# KiCad board ebaz4205.kicad_pcb (continued)
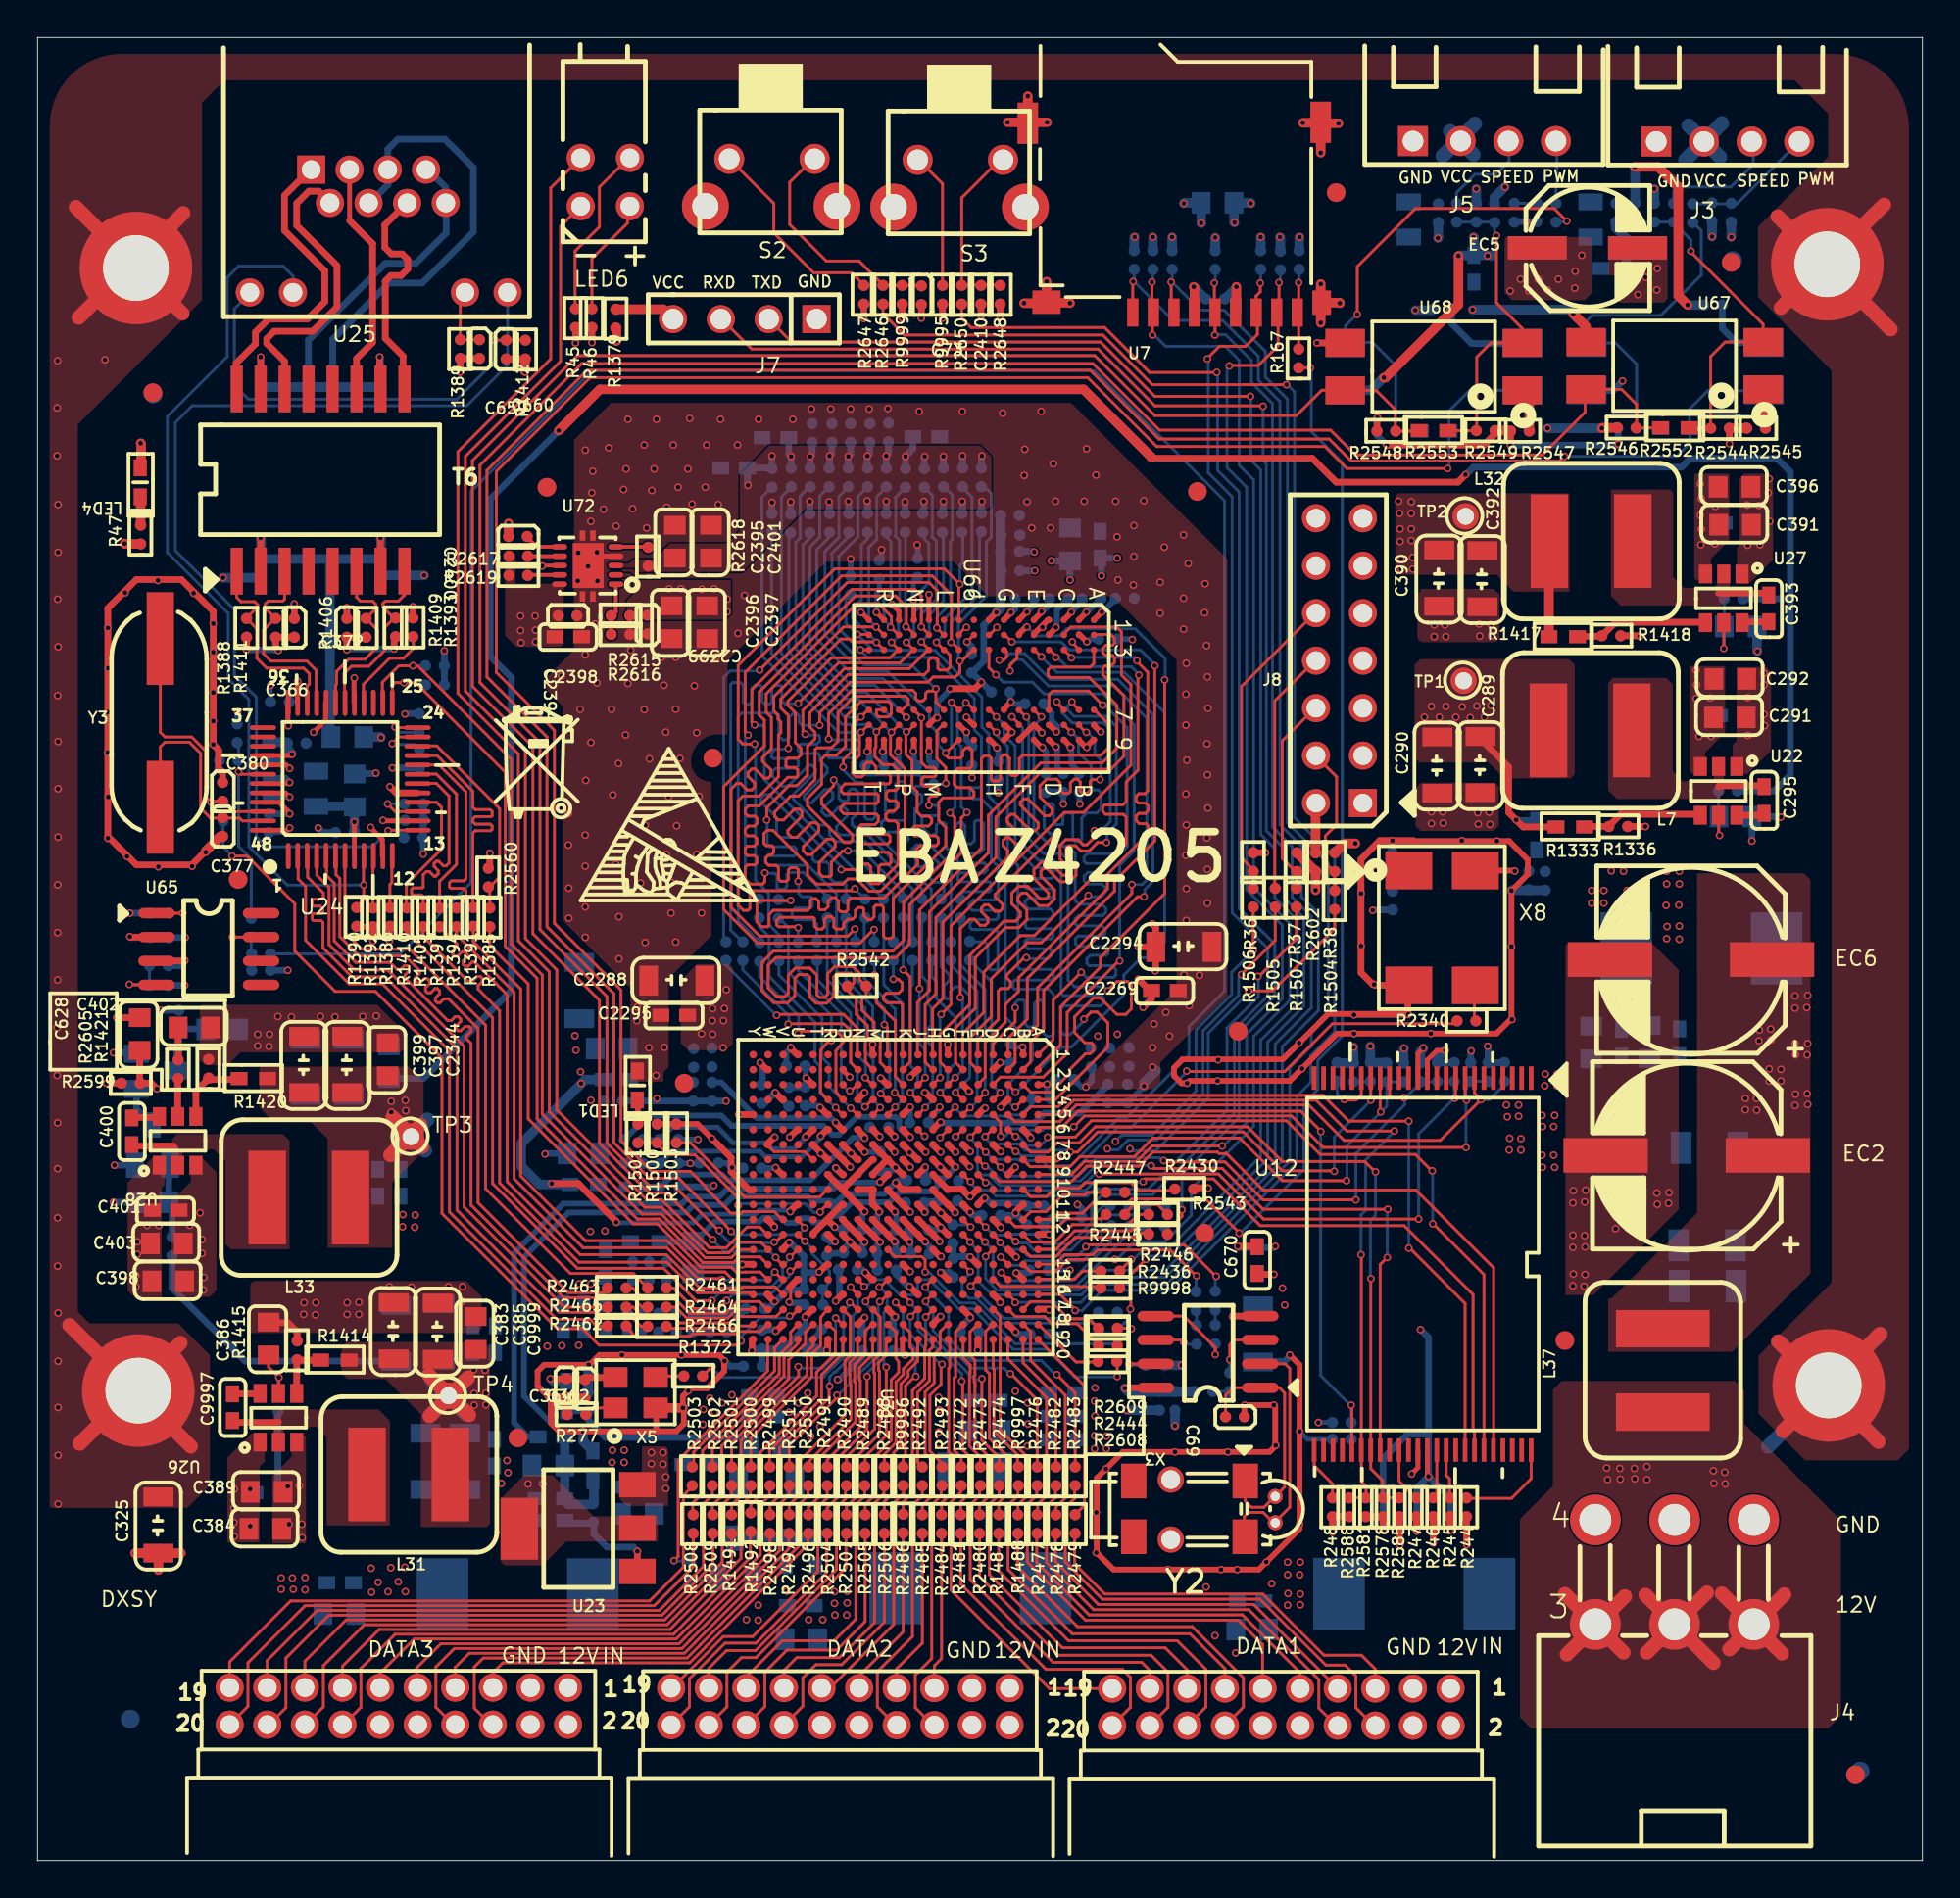
[diagram p0: board, top side]
## Routing (per net, layer and track width the routed paths; a pad name or vN(x,y) marks a point on that pad's centre or on a via; arc(x,y) is an arc through that point) (continued)
U31-N16_0: length 18.1
  Top Layer w0.152: v1(57.6,25.83) 57.6,26.6 R2608.2 ; 43.73,31.02 44.15,30.6 44.15,30.58
  Bottom Layer w0.152: 57.48,25.8 55.33,25.8 53.85,27.28 52.05,27.28 49.88,29.45 49.13,29.45 47.58,31 47.03,31 46.95,30.93 46.95,30.28 46.85,30.18 46,30.18 45.18,31 44.58,31 44.15,30.58
  vias: v1(44.1,30.63)
U31-TCK_0: length 28.8
  Top Layer w0.152: 49.75,36.18 49.75,36.22 49.36,36.61 ; v1(65.1,47.18) 65.15,47.18 67.15,49.18 R37.1
  Bottom Layer w0.152: 49.75,36.18 50.16,35.77 50.81,35.77 51.13,35.45 56,35.45 56.38,35.83 58.8,35.83 58.81,35.82 59.25,35.82 63.45,40.03 63.45,44.43 65.13,46.1 65.13,47.08
  vias: v1(49.78,36.23)
U31-TDI_0: length 27.1
  Top Layer w0.152: v1(64.85,48.55) R1506.1 ; 48.55,39.01 48.55,38.98 v1(48.15,38.58)
  MidLayer2 w0.127: v1(57.5,38.38) 57.49,38.39 55.41,38.39 54.51,39.29 49.14,39.29 48.42,38.58 v1(48.15,38.58)
  Bottom Layer w0.152: v1(64.85,48.55) 63.7,47.4 63.7,46.23 61.8,44.33 61.8,41.05 59.46,38.71 57.83,38.71 v1(57.5,38.38)
U31-TDO_0: length 27.3
  Top Layer w0.152: v1(64.23,47.28) 64.23,47.3 66.03,49.1 R1505.1 ; v1(48.98,38.63) 49.36,39.01 49.36,39.01
  MidLayer2 w0.127: v1(57.08,37.98) 55.4,37.98 54.36,39.02 49.34,39.02 48.98,38.65 v1(48.98,38.63)
  Bottom Layer w0.152: v1(64.23,47.28) 64.08,47.13 64.08,46.18 62.18,44.28 62.18,40.93 59.7,38.45 58.18,38.45 57.65,37.93 57.2,37.93 57.15,37.98 57.03,37.85 57,37.88
U31-TMS_0: length 31.7
  Top Layer w0.152: v1(64.6,46.4) 65.88,46.4 69.2,49.73 R1504.1 ; 46.95,39.01 47.38,38.58
  MidLayer2 w0.127: 58.26,37.97 58.26,38.29 57.59,38.97 56.04,38.97 55.46,39.54 48.89,39.54 48.31,38.97 47.66,38.97 47.35,38.65 v1(47.33,38.65)
  Bottom Layer w0.152: 58.28,37.88 59.65,37.88 62.45,40.68 62.45,44.15 64.6,46.3 v1(64.6,46.4)
  vias: v1(58.28,37.98)
U31.W20_0: length 14.7
  Top Layer w0.152: 38.91,27.83 38.95,27.78 38.95,26.13 34.18,21.35 34.18,16.23 v1(33.95,16)
  Bottom Layer w0.152: 34.05,15.98 R1481.2
VP1_0: length 32.3
  Top Layer w0.356: v1(44.95,36.2) 45.34,36.59 45.34,36.61
  Bottom Layer w0.305: 44.95,36.15 44.93,36.18 42.58,36.18 42.25,35.85 36.8,35.85 36.38,35.43 34.75,35.43 34.38,35.05 28.05,35.05 25.43,32.43 25.43,23.35 26.18,22.6 C856.2
  vias: v1(26.17,20.1) v1(26.94,20.1)
XOUT.0_0: length 50.2
  Top Layer w0.152: 40.51,29.42 40.51,29.34 40.18,29 ; v1(37.53,27.73) 37.3,27.5 29.95,27.5 29.08,28.38 27.73,28.38 21.58,34.53 21.58,42.83 18.03,46.38 15.88,46.38 13.73,48.53 13.73,51.05 11.18,53.6 10.4,53.6
  Bottom Layer w0.152: R1485.1 9.9,54.1 10.43,53.58 ; v1(37.53,27.73) 37.53,27.95 38.53,28.95 40.05,28.95
  vias: v1(10.38,53.6) v1(40.13,29.05)
Net-(C69-Pad1): length 13
  Top Layer w0.152: 63.38,23.73 63.38,24.83 63.78,25.23 X3.1 ; 66,19.35 65.93,19.35 65.43,18.85 64.75,18.85 64.43,19.18 Y2.1 ; Y2.8 66.53,19.93 66.53,24.95 66.25,25.23 65.48,25.23
Net-(C71-Pad2): length 2.3
  Top Layer w0.152: X3.7 58.25,26.5 v1(58.23,26.48)
  Bottom Layer w0.152: 58.25,26.5 58.33,26.43 C71.2
Net-(C73-Pad2): length 12.5
  Top Layer w0.152: S2.3 41.38,90.8 40.13,89.55 40.13,87.3 42.08,85.35 43.83,85.35 45.05,84.13 ; 45.05,84.05 47.23,84.05
Net-(C294-Pad2): length 3.3
  Top Layer w0.152: U22.5 89.68,54.75 v1(89.73,54.7)
  Bottom Layer w0.152: 89.7,54.63 C294.2 ; 89.73,56 89.68,56.05 R2603.1
Net-(C295-Pad1): length 1.4
  Top Layer w0.356: 92.08,55.93 92.08,55.9 C295.1 ; 91.85,55.88 91.75,55.78 90.6,55.78
Net-(C295-Pad2): length 2.5
  Top Layer w0.356: 89.68,57.3 89.73,57.35 92.05,57.35 C295.2
Net-(C304-Pad2): length 6.9
  Bottom Layer w0.152: 93.93,91.55 93.8,91.55 90.65,88.4 R1346.2
Net-(C305-Pad2): length 5.1
  Bottom Layer w0.762: 88.08,92.58 89.75,90.9 ; 87.9,90.75 89.85,92.7
Net-(C327-Pad1): length 1.2
  Top Layer w0.356: v1(47.35,37) 46.96,36.61 46.95,36.61
  Bottom Layer w0.305: C327.1 47.38,36.88 47.33,36.93
Net-(C333-Pad2): length 5.2
  Bottom Layer w0.152: 80.88,88.45 80.85,88.43 C333.2 ; R1363.2 81,89.4 81.05,89.45 81.05,91.45 81.1,91.5
Net-(C334-Pad2): length 4.2
  Bottom Layer w0.762: 75.36,92.28 76.61,91.03 ; 74.96,90.95 76.68,92.68
Net-(C362-Pad2): length 4.4
  Top Layer w0.356: X5.2 29.28,25.78 29.2,25.7 v1(27.35,25.7)
  Bottom Layer w0.356: L29.1 28.15,25.5 27.5,25.5 27.38,25.63
Net-(C366-Pad1): length 4
  Top Layer w0.356: C366.1 12.78,65.28 12.75,65.3 ; v1(11.15,64.6) R1388.1 ; R1411.1 12.7,64.73 v1(12.85,64.58)
  Bottom Layer w0.356: 12.75,64.58 12.73,64.6 v1(11.15,64.6)
Net-(C372-Pad1): length 4.9
  Top Layer w0.356: 16.45,65.33 C372.1 ; C372.1 v1(16.5,64.6) ; C372.1 R1406.1 ; v1(19.03,64.65) 19.03,65.3
  Bottom Layer w0.356: v1(19.03,64.65) 16.55,64.65 16.53,64.63
Net-(C377-Pad2): length 12
  Top Layer w0.152: Y3.1 6.55,59.43 6.8,59.68 8.1,59.68 8.7,59.08 8.7,56.15 9.23,55.63 10.78,55.63 10.93,55.48 11.75,55.48
Net-(C380-Pad1): length 13
  Top Layer w0.152: 9.95,56.48 10.46,55.97 12,55.97 ; C380.1 9.3,56.53 v1(9.25,56.48) 8.98,56.75 8.98,59.2 8.23,59.95 6.8,59.95 6.55,60.2 6.55,63.8 6.35,64
  Bottom Layer w0.152: 9.33,56.48 R1485.2
Net-(C386-Pad1): length 2.8
  Top Layer w0.152: 12.9,25.18 12.88,25.2 v1(12.88,25.78) 12.33,26.33 C386.1
  Bottom Layer w0.152: R1413.2 12.83,25.7 12.88,25.75
Net-(C393-Pad1): length 1.4
  Top Layer w0.356: 90.95,66.03 91.03,66.1 C393.1
Net-(C393-Pad2): length 2.7
  Top Layer w0.356: C393.2 92.25,67.63 89.68,67.63
Net-(C395-Pad2): length 4.2
  Top Layer w0.152: v1(89.95,64.68) U27.5
  Bottom Layer w0.152: 90,64.65 89.98,64.68 C395.2 89.98,67.43
Net-(C400-Pad1): length 2.4
  Top Layer w0.356: 7.33,38.03 7.23,38.13 5.1,38.13 C400.1
Net-(C400-Pad2): length 1.4
  Top Layer w0.356: 6.35,39.68 6.33,39.65 5,39.65
Net-(C402-Pad1): length 5.3
  Top Layer w0.356: 7.48,42.68 7.53,42.73 v1(7.53,43.35) 7.5,43.38 C402.1
  Bottom Layer w0.356: U21.3 7.43,43.2 7.53,43.3 ; R2800.2 8.78,44.38 8.8,44.35 ; 7.5,44.43 7.53,44.4 v1(7.53,43.35)
Net-(C625-Pad1): length 3.7
  Bottom Layer w0.356: R1373.2 7.18,35 7,35.18 ; 7.1,36.78 7,36.68 C625.1
Net-(C628-Pad1): length 6.1
  Top Layer w0.356: C628.1 5.45,41.5 R2599.2 6.08,41.48 v1(6.38,41.18)
  Bottom Layer w0.356: v1(6.38,41.18) U21.1 5.28,40.1 5.9,39.48 6.18,39.48
Net-(C659-Pad2): length 3.5
  Top Layer w0.152: 23.6,81.15 R1389.2 22.55,83.33 22.78,83.55
Net-(C660-Pad2): length 23.1
  Top Layer w0.152: 25.93,81.15 25,81.15 24.95,81.1 ; v1(24.38,81.13) C660.2
  Bottom Layer w0.152: 24.4,81.13 24.4,80 22.38,77.98 11.25,77.98 10.5,78.73 10.5,82.8 11.33,83.63 U25.12
Net-(C1985-Pad1): length 8
  Top Layer w0.356: 42.93,39.01 42.58,39.36 v1(42.58,39.38)
  Bottom Layer w0.305: v1(42.58,39.38) 42.33,39.63 38.38,39.63 36.48,41.53 C1987.2
Net-(C2285-Pad2): length 2.1
  Top Layer w0.305: X8.4 78.78,52.83 v1(78.8,52.8)
Net-(C2300-Pad2): length 15.2
  Top Layer w0.305: 47.55,60.58 47.55,60.63 47.93,61 ; 50.75,66.2 v1(51.15,66.6)
  Top Layer w0.356: v1(48.68,62.53) 50,62.53 v1(50.35,62.88)
  Bottom Layer w0.305: v1(48,60.98) 47.98,61 47.98,61.78 48.7,62.5
  Bottom Layer w0.356: C2300.2 49.85,63.38 50.48,64 50.48,65.93 v1(51.15,66.6)
  Bottom Layer w0.508: v1(51.15,66.6) 51.38,66.83 51.38,71.68 51.4,71.7
Net-(C2303-Pad1): length 10.4
  Top Layer w0.356: 48.13,39.4 48.13,39.39 47.75,39.01
  Bottom Layer w0.356: 48.18,39.35 51.79,39.35 51.86,39.42 52.5,39.42 52.56,39.35 53.18,39.35 53.7,39.88 55.6,39.88 57.1,41.38 57.15,41.38
  vias: v1(48.18,39.4)
Net-(C2349-Pad2): length 18.1
  Top Layer w0.356: v1(48.98,37) 48.96,37 48.55,37.41
  Bottom Layer w0.305: v1(48.98,37) 48.23,36.25 48.23,36.2 47.73,35.7 46.03,35.7 45.45,35.13 43.45,35.13 42.73,34.4 42.44,34.4 42.09,34.05 41.38,34.05 41.15,34.28 40.74,34.28 40.49,34.03 39.98,34.03 39.7,34.3 38.73,34.3 38.53,34.1 36.13,34.1 35.2,33.18
  Bottom Layer w0.356: C2349.2 34.93,33 33.28,33
Net-(C2400-Pad2): length 1.9
  Top Layer w0.203: 27.83,70.1 26.63,70.1 26.15,70.58
Net-(C2410-Pad2): length 9.3
  Top Layer w0.152: 51.33,84.05 51.3,84.08 49.3,84.08 49.28,84.1 ; R2650.2 49.3,88.73 51.08,90.5
Net-(C9997-Pad1): length 2.5
  Top Layer w0.356: C9997.1 10.5,23.38 12.83,23.38 12.85,23.4
Net-(C9997-Pad2): length 1.5
  Top Layer w0.356: U26.6 11.85,24.9 C9997.2
Net-(DATA1-Pad5): length 21
  Top Layer w0.152: DATA1.5 71.37,10.21 70.63,10.95 68.63,10.95 65.36,14.22 56.93,14.22 55.33,15.83 55.33,17.38 55.35,17.4
Net-(DATA1-Pad6): length 25.4
  Top Layer w0.152: 55.33,19.93 55.33,19.33 54.83,18.83 54.83,15.93 56.81,13.94 65.21,13.94 68.73,10.43 69.75,10.43 70.33,9.85 70.33,8.15 71.28,7.2 DATA1.6
Net-(DATA1-Pad7): length 19.3
  Top Layer w0.152: DATA1.7 64.87,13.67 56.59,13.67 54.3,15.95 54.3,17.38
Net-(DATA1-Pad8): length 24.2
  Top Layer w0.152: DATA1.8 69.28,7.2 68.35,8.13 68.35,9.65 64.62,13.39 56.34,13.39 53.83,15.9 53.83,18.9 54.3,19.38 54.3,19.9
Net-(DATA1-Pad9): length 18.8
  Top Layer w0.152: DATA1.9 67.35,10.02 64.27,13.11 56.1,13.11 53.3,15.9 53.3,17.38
Net-(DATA1-Pad11): length 20.9
  Top Layer w0.152: DATA1.11 65.35,11.53 64.05,12.83 55.9,12.83 52.8,15.93 52.8,19 53.3,19.5 53.3,19.9
Net-(DATA1-Pad13): length 19.5
  Top Layer w0.152: 52.3,19.98 52.3,19.48 51.78,18.95 51.78,15.53 55.2,12.1 61.48,12.1 63.34,10.24 DATA1.13
Net-(DATA1-Pad14): length 19.2
  Top Layer w0.152: 52.28,17.4 52.28,15.68 55.48,12.48 61.6,12.48 64.33,9.75 64.33,8.19 DATA1.14
Net-(DATA1-Pad15): length 18.6
  Top Layer w0.152: R2474.1 51.3,19.53 50.78,19 50.78,15.25 54.68,11.35 60.15,11.35 61.34,10.17 DATA1.15
Net-(DATA1-Pad16): length 18.6
  Top Layer w0.152: DATA1.16 62.33,8.19 62.33,10.2 60.8,11.73 55,11.73 51.28,15.45 R1487.1
Net-(DATA1-Pad17): length 17.6
  Top Layer w0.152: 50.25,19.83 50.25,19.48 49.75,18.98 49.75,15 54.18,10.58 58.9,10.58 59.33,10.15 DATA1.17
Net-(DATA1-Pad18): length 17.6
  Top Layer w0.152: DATA1.18 60.3,8.17 60.3,10.05 59.4,10.95 54.45,10.95 50.25,15.15 50.25,17.38
Net-(DATA1-Pad19): length 16.5
  Top Layer w0.152: 49.25,19.98 49.25,19.65 48.73,19.13 48.73,14.43 53.98,9.18 DATA1.19
Net-(DATA1-Pad20): length 16.7
  Top Layer w0.152: 49.25,17.33 49.25,14.75 53.8,10.2 57.88,10.2 58.3,9.78 58.3,8.18 58.08,7.95 DATA1.20
Net-(DATA2-Pad5): length 8.3
  Top Layer w0.152: DATA2.5 47.84,10.39 48.23,10.78 48.23,17.35 48.25,17.38
Net-(DATA2-Pad6): length 13.7
  Top Layer w0.152: 48.2,19.9 48.2,19.48 47.7,18.98 47.7,10.78 46.83,9.9 46.83,8.15 47.75,7.23 DATA2.6
Net-(DATA2-Pad7): length 8.9
  Top Layer w0.152: 47.2,17.5 47.2,11.6 45.84,10.24 DATA2.7
Net-(DATA2-Pad8): length 14.1
  Top Layer w0.152: DATA2.8 45.78,7.23 44.8,8.2 44.8,10.08 46.68,11.95 46.68,18.95 47.2,19.48 47.2,19.85
Net-(DATA2-Pad9): length 9.2
  Top Layer w0.152: DATA2.9 43.83,9.85 46.18,12.2 46.18,17.35 46.2,17.38
Net-(DATA2-Pad11): length 12.8
  Top Layer w0.152: 46.2,19.93 46.2,19.6 45.68,19.08 45.68,12.6 42.28,9.2 DATA2.11
Net-(DATA2-Pad13): length 14.3
  Top Layer w0.152: 45.15,19.93 45.15,19.58 44.65,19.08 44.65,12.7 42.78,10.83 40.5,10.83 39.82,10.14 DATA2.13
Net-(DATA2-Pad14): length 13.2
  Top Layer w0.152: 45.23,17.43 45.18,17.38 45.18,12.73 42.9,10.45 41.53,10.45 40.83,9.75 40.83,8.24 DATA2.14
Net-(DATA2-Pad15): length 14.9
  Top Layer w0.152: 44.13,19.9 44.13,19.45 43.65,18.98 43.65,12.88 42.5,11.73 39.73,11.73 37.81,9.81 DATA2.15
Net-(DATA2-Pad16): length 14.4
  Top Layer w0.152: 44.13,17.43 44.15,17.4 44.15,12.75 42.63,11.23 39.98,11.23 38.8,10.05 38.8,8.22 DATA2.16
Net-(DATA2-Pad17): length 14.8
  Top Layer w0.152: 43.1,20.03 43.1,19.3 42.63,18.83 42.63,15.53 38.3,11.2 36.75,11.2 35.81,10.26 DATA2.17
Net-(DATA2-Pad18): length 13.6
  Top Layer w0.152: DATA2.18 36.78,8.2 36.78,10.05 37.55,10.83 38.33,10.83 43.13,15.63 43.13,17.35
Net-(DATA2-Pad19): length 15.1
  Top Layer w0.152: 42.13,19.88 42.13,19.35 41.63,18.85 41.63,15.43 38.15,11.95 36.58,11.95 35.93,11.3 35.93,11.29 33.84,9.2 DATA2.19
Net-(DATA2-Pad20): length 14.6
  Top Layer w0.152: DATA2.20 34.78,8.2 34.78,9.7 36.68,11.6 38.33,11.6 42.1,15.38 42.1,17.4
Net-(DATA3-Pad5): length 21.1
  Top Layer w0.152: DATA3.5 24.29,10.02 24.82,10.55 34.8,10.55 35.65,11.41 35.65,11.42 41.1,16.87 41.1,17.48
Net-(DATA3-Pad6): length 27
  Top Layer w0.152: DATA3.6 24.18,7.25 23.3,8.13 23.3,10.33 23.78,10.8 34.65,10.8 35.37,11.52 35.37,11.53 40.6,16.76 40.6,18.98 41.1,19.48 41.1,20
Net-(DATA3-Pad7): length 22.2
  Top Layer w0.152: 40.08,17.35 40.08,16.63 35.09,11.65 35.09,11.64 34.51,11.06 23.03,11.06 22.29,10.31 DATA3.7
Net-(DATA3-Pad8): length 28.2
  Top Layer w0.152: R2511.1 40.1,19.53 39.58,19 39.58,16.53 34.82,11.77 34.82,11.75 34.37,11.31 22.24,11.31 21.25,10.33 21.25,8.18 22.18,7.25 DATA3.8
Net-(DATA3-Pad9): length 23.5
  Top Layer w0.152: R2498.1 39.08,16.43 34.54,11.89 ; 34.54,11.87 34.54,11.89 ; 34.54,11.89 34.22,11.57 21.52,11.57 20.23,10.28 20.23,9.28 DATA3.9
Net-(DATA3-Pad11): length 27.4
  Top Layer w0.152: DATA3.11 18.27,10 20.1,11.82 34.07,11.82 38.55,16.3 38.55,18.98 39.05,19.48 39.05,19.88
Net-(DATA3-Pad13): length 28.7
  Top Layer w0.152: 38.03,19.88 38.03,19.45 37.53,18.95 37.53,16.12 33.73,12.33 18.23,12.33 16.27,10.37 DATA3.13
Net-(DATA3-Pad14): length 28
  Top Layer w0.152: 38.03,17.48 38.03,16.17 33.93,12.07 19.07,12.07 17.25,10.25 17.25,8.18 16.33,7.25 DATA3.14
Net-(DATA3-Pad15): length 30.1
  Top Layer w0.152: 37.03,19.95 37.03,19.48 36.53,18.98 36.53,15.91 33.45,12.84 16.46,12.84 14.26,10.64 DATA3.15
Net-(DATA3-Pad16): length 29
  Top Layer w0.152: DATA3.16 14.3,7.25 15.25,8.2 15.25,10.4 17.43,12.58 33.59,12.58 37.03,16.02 37.03,17.38
Net-(DATA3-Pad17): length 30.7
  Top Layer w0.152: R2502.1 36,19.5 35.53,19.03 35.53,15.7 33.17,13.34 14.92,13.34 12.25,10.68 12.25,9.83
Net-(DATA3-Pad18): length 30.4
  Top Layer w0.152: DATA3.18 12.35,7.25 13.25,8.15 13.25,10.8 15.54,13.09 33.31,13.09 36.03,15.81 36.03,17.38
Net-(DATA3-Pad19): length 32.1
  Top Layer w0.152: DATA3.19 10.25,10.6 13.5,13.85 32.65,13.85 34.45,15.65 34.45,19.48 34.88,19.9
Net-(DATA3-Pad20): length 31.2
  Top Layer w0.152: 10.38,7.38 11.23,8.23 11.23,10.55 14.27,13.6 32.9,13.6 34.98,15.68 R2508.1
Net-(J3-Pad3): length 6.4
  Bottom Layer w0.152: 91.53,91.45 91.53,90.5 90.33,89.3 87.5,89.3 87.28,89.08 R1345.2
Net-(J4-Pad1): length 27.1
  Top Layer w0.762: 85.78,14.17 89.4,10.55 ; 90.25,11.27 93.18,14.2 ; 89.85,14.25 93.05,11.05 ; 81.58,11 84.68,14.1 ; 81.48,14.22 84.61,11.1 ; 85.85,11.1 89.05,14.3
  vias: v1(83.71,20.95) v1(83.76,20.32) v1(84.41,20.92) v1(84.43,20.35) v1(85.18,20.92) v1(85.2,20.37) v1(85.85,21.02) v1(85.85,20.32) v1(89.4,20.8) v1(89.43,20.12) v1(90,20.72) v1(90.03,20.1)
Net-(J5-Pad3): length 4.8
  Bottom Layer w0.152: 78.5,91.4 78.5,90.68 77.8,89.98 76.68,89.98 75.7,89 R1362.2
Net-(J7-Pad4): length 3.2
  Top Layer w0.508: J7.4 33.38,82.78 30.95,82.78 30.93,82.75
Net-(J8-Pad2): length 2.7
  Top Layer w0.508: J8.2 68.18,56.4 68.18,53.73
Net-(J8-Pad4): length 7.8
  Top Layer w0.152: 68.43,58.7 69.3,57.83 69.3,55.28 68.7,54.68 68.7,53.23 69.2,52.73 R1504.2
Net-(J8-Pad6): length 10.4
  Top Layer w0.152: R37.2 67.15,52.73 66.4,53.48 66.4,59.75 67.88,61.23 68.05,61.23
Net-(J8-Pad8): length 13
  Top Layer w0.152: 66.03,51.93 66,51.95 66,61.88 68.13,64 68.15,64
Net-(J8-Pad10): length 16.2
  Top Layer w0.152: R1506.2 64.85,52.88 64.23,53.5 64.23,62.65 67.8,66.23 67.93,66.23
Net-(LED1-Pad2): length 1.3
  Top Layer w0.305: 32.03,40.58 32.03,39.33 32,39.3
Net-(LED4-Pad2): length 1.4
  Top Layer w0.508: R47.2 5.5,72.65
Net-(LED6-Pad1): length 6.1
  Top Layer w0.152: R46.2 29.58,85.48 31.48,87.38 31.48,88.08
Net-(LED6-Pad2): length 9.4
  Top Layer w0.152: 28.7,82.73 28.68,82.75 28.68,85.88 29.98,87.18 29.98,89.3 31.53,90.85 LED6.2
Net-(R117-Pad1): length 0.8
  Bottom Layer w0.152: R2440.1 63.45,25.03 63.5,24.98
Net-(R117-Pad2): length 3.3
  Top Layer w0.152: X3.3 63.85,27.78 63.6,27.53 v1(63.6,26.73)
  Bottom Layer w0.152: R117.2 63.6,26.75
Net-(R120-Pad1): length 2.3
  Top Layer w0.152: X3.6 61.03,27.78 v1(61.15,27.65)
  Bottom Layer w0.152: 61.13,27.6 61.18,27.55 R120.1
Net-(R120-Pad2): length 0.8
  Bottom Layer w0.152: R120.2 61.83,29.33 61.78,29.38
Net-(R122-Pad1): length 4.9
  Top Layer w0.152: v1(62.83,27) 62.83,27.38 61.15,29.05 X3.5
  Bottom Layer w0.152: 62.75,26.98 62.83,27.05 R122.1
Net-(R122-Pad2): length 0.8
  Bottom Layer w0.152: R122.2 R2439.1
Net-(R166-Pad1): length 4.3
  Top Layer w0.152: R167.2 67.28,82.58 67.25,82.6 ; U7.9 67.28,82.68 v1(67.28,84.2)
  Bottom Layer w0.152: 67.33,84.23 67.3,84.25 R166.1
Net-(R244-Pad2): length 5.4
  Top Layer w0.152: U12.48 79.68,20.38 78.63,19.33 76.23,19.33
Net-(R245-Pad2): length 2.7
  Top Layer w0.152: 75.33,19.3 75.33,20.38 75.15,20.56 U12.39
Net-(R246-Pad2): length 2.6
  Top Layer w0.152: U12.38 74.64,19.49 74.53,19.38
Net-(R247-Pad2): length 3
  Top Layer w0.152: 73.58,19.33 73.55,19.33 72.63,20.25 U12.34
Net-(R248-Pad2): length 2.9
  Top Layer w0.152: U12.25 68.1,21.08 69.08,20.1 69.08,19.4
Net-(R277-Pad2): length 1.8
  Top Layer w0.152: X5.1 29.58,24.15 29.2,23.78
Net-(R1333-Pad2): length 6.4
  Top Layer w0.356: 88.68,55.8 88.65,55.83 84.45,55.83 83.8,55.18 82.55,55.18 R1333.2
Net-(R1344-Pad1): length 17.8
  Top Layer w0.152: v1(88.2,85.88) 88.2,85.83 92.05,81.98 U67.2 ; R2544.1 89.25,80.25 90.03,81.03 91.53,81.03 ; R2552.2 89.15,76.45
  Bottom Layer w0.152: R1344.1 87.25,87.43 88.2,86.48 88.2,85.95
Net-(R1346-Pad1): length 18.7
  Bottom Layer w0.152: U69.4 82.65,82.18 82.93,82.45 86.6,82.45 88.75,84.6 88.75,86.98 88.35,87.38 ; 86.48,76.4 86.45,76.43 R2350.2 85.3,79.85 84.18,80.98 82.88,80.98
Net-(R1360-Pad1): length 3.1
  Top Layer w0.152: v1(69.7,40.6) 69.73,40.58 70.33,40.58 70.62,40.87 U12.19
  Bottom Layer w0.152: R1360.1 69.33,40.9 69.65,40.58
Net-(R1361-Pad1): length 17.2
  Top Layer w0.152: v1(77.83,86.7) 77.83,83.13 79.2,81.75 U68.2 77.53,80.98 76.78,80.23 76.78,76.33 ; R2553.2 R2549.1
  Bottom Layer w0.152: 77.78,86.7 77.73,86.75 R1365.1 ; R1362.1 77.68,87.43 77.7,87.45
Net-(R1363-Pad1): length 25.3
  Top Layer w0.152: v1(70.4,82.5) 70.4,85.05 73.5,88.15 80.9,88.15 v1(81.58,87.48)
  Bottom Layer w0.152: 81.53,87.45 81.5,87.43 R1363.1 ; U70.4 69.78,81.9 70.33,82.45 70.38,82.45 ; 69.98,81 71.23,81 72.45,79.78 R2556.2 ; R2557.2 72.53,76.28 72.5,76.3
Net-(R1372-Pad1): length 1.2
  Top Layer w0.152: 33.28,25.85 R1372.1
Net-(R1372-Pad2): length 12
  Top Layer w0.152: R1372.2 35.98,26.35 v1(36,26.35) ; 43.38,29.78 43.73,29.42
  Bottom Layer w0.152: 43.35,29.68 43,29.33 43,26.88 42.45,26.33 42.4,26.33 42.02,25.94 42.02,25.89 41.9,25.78 36.48,25.78 36,26.25 v1(36,26.35)
  vias: v1(43.33,29.78)
Net-(R1381-Pad2): length 2.6
  Top Layer w0.152: v1(18.68,56.38) 19.08,55.97 20.25,55.97
  Bottom Layer w0.152: v1(18.68,56.38) R1381.2
Net-(R1384-Pad1): length 6.4
  Bottom Layer w0.508: R1400.1 18.28,78.63
Net-(R1384-Pad2): length 2.3
  Top Layer w0.356: T6.10 18.25,78.57 v1(18.25,80.23)
  Bottom Layer w0.356: R1384.2 18.3,80.23
Net-(R1385-Pad2): length 10.9
  Top Layer w0.152: 24.18,50.88 24.13,50.93 24.13,51.95 24.65,52.48 24.65,56.13 21.3,59.48 20.6,59.48
Net-(R1386-Pad2): length 2.8
  Top Layer w0.152: 18.83,50.88 18.8,50.9 18.8,52.08 18.9,52.18 18.9,53.6
Net-(R1388-Pad2): length 10.4
  Top Layer w0.152: 14.38,62.18 14.38,62.65 14.5,62.78 14.5,63.33 14.2,63.63 12.23,63.63 11.7,64.15 11.7,65.73 R1388.2 ; T6.1 10.63,67.4 10.85,67.18 11.58,67.18 11.75,67 11.75,66.9 11.1,66.25
Net-(R1391-Pad2): length 13.6
  Top Layer w0.152: 20.25,58.96 21.32,58.96 23.23,57.05 23.23,56.2 23.35,56.08 24.15,56.08 24.25,55.98 24.25,55.75 24.2,55.7 23.35,55.7 23.23,55.58 23.23,55.43 23.35,55.3 24.15,55.3 24.25,55.2 24.25,55.03 24.18,54.95 23.35,54.95 23.23,54.83 23.23,50.88 R1391.2
Net-(R1392-Pad2): length 2.8
  Top Layer w0.152: 17.89,53.6 17.89,50.84 R1392.2
Net-(R1393-Pad1): length 5
  Top Layer w0.152: 17.39,61.78 17.39,62.76 18.78,64.15 19.53,64.15 20.05,64.68 20.05,65.28
Net-(R1394-Pad2): length 11.1
  Top Layer w0.152: 22.4,50.85 22.85,51.3 22.85,51.75 22.73,51.88 22.05,51.88 21.98,51.95 21.98,52.18 22.08,52.28 22.75,52.28 22.85,52.38 22.85,57.03 21.42,58.46 20.25,58.46
Net-(R1396-Pad1): length 2.6
  Top Layer w0.152: v1(19.08,60.48) 19.1,60.45 20.25,60.45
  Bottom Layer w0.152: R1396.1 19.3,60.2 19.05,60.45
Net-(R1397-Pad2): length 8.7
  Top Layer w0.152: 20.53,57.98 21.28,57.98 22.35,56.9 22.35,53.15 21.45,52.25 R1397.2
Net-(R1400-Pad2): length 2.2
  Top Layer w0.356: T6.15 11.91,80.2
  Bottom Layer w0.356: R1400.2 11.9,80.2
  vias: v1(11.9,80.23)
Net-(R1401-Pad2): length 4.4
  Top Layer w0.152: v1(10.4,49.28) U65.7
  Bottom Layer w0.152: 11.43,47.38 11.4,47.4 R1401.2 10.5,49.28 10.43,49.35
Net-(R1404-Pad2): length 23.3
  Bottom Layer w0.356: 18.7,89.9 18.7,89.43 17.73,88.45 U25.4 ; 15.75,79.63 15.75,81.18 18.75,84.18 20.53,84.18 23.25,86.9 23.25,90.33 21.73,91.85 19.23,91.85 18.69,91.31 U25.5
Net-(R1405-Pad2): length 10.7
  Top Layer w0.152: R1405.2 20.58,51.43 20.48,51.53 20.03,51.53 19.95,51.6 19.95,51.83 20.03,51.9 20.53,51.9 20.58,51.95 20.58,52.6 20.75,52.78 20.9,52.78 21.15,52.53 21.25,52.53 21.38,52.65 21.38,52.83 21.15,53.05 21.15,53.2 21.28,53.33 21.4,53.33 21.65,53.08 21.8,53.08 21.95,53.23 21.95,56.8 21.28,57.48 20.6,57.48
Net-(R1406-Pad2): length 9.3
  Top Layer w0.152: 17.63,66.38 18.05,66.8 18.05,67.03 17.88,67.2 17.23,67.2 17.02,67.41 T6.6 ; R1406.2 18.15,65.65 18.15,64.78 17.48,64.1 16.6,64.1 15.95,63.45 15.95,62.78 15.9,62.73 15.9,62.1
Net-(R1407-Pad2): length 14.4
  Bottom Layer w0.356: 21.8,88.15 21.8,86.85 20.18,85.23 18.55,85.23 14.45,81.13 R1407.2 ; 21.05,90 21.78,89.28 U25.8
Net-(R1408-Pad2): length 3
  Top Layer w0.152: v1(18.93,59.6) 19.28,59.95 20.25,59.95
  Bottom Layer w0.152: 18.98,59.55 20.13,59.55 R1408.2
Net-(R1409-Pad2): length 9.7
  Top Layer w0.152: T6.8 19.58,67.53 19.25,67.2 18.55,67.2 18.43,67.08 18.43,66.88 18.95,66.35 ; 16.38,61.78 16.38,62.82 16.35,62.85 16.35,63.33 16.75,63.73 17.68,63.73 18.53,64.58 18.53,65.8 19.03,66.3
Net-(R1410-Pad2): length 7.5
  Top Layer w0.152: 19.68,50.85 19.68,52.1 21.55,53.98 21.55,56.2 21.28,56.47 20.25,56.47
Net-(R1411-Pad2): length 10.5
  Top Layer w0.152: 12.65,66.33 12.15,66.83 12.15,67.05 12.3,67.2 13.08,67.2 13.18,67.31 T6.3 ; 14.87,61.78 14.87,63.51 14.38,64 12.45,64 12.05,64.4 12.05,65.65 12.63,66.23
Net-(R1414-Pad1): length 3.1
  Top Layer w0.356: R1414.1 13.85,26.7 13.83,26.73 U26.4
Net-(R1417-Pad2): length 7.3
  Top Layer w0.356: R1417.2 82.18,65.33 83.43,65.33 84.18,66.08 89.05,66.08 89.08,66.1
Net-(R1420-Pad1): length 3.8
  Top Layer w0.356: U28.4 8.45,41.05 9.08,41.68 10.68,41.68
Net-(R1481-Pad1): length 1.3
  Bottom Layer w0.152: R1481.1 36.1,14.98 36.13,15
Net-(R1482-Pad1): length 4
  Bottom Layer w0.508: 41.45,17.28 41.43,17.25 R1483.1 37.43,17.25
Net-(R1493-Pad1): length 2.1
  Top Layer w0.356: v1(49.75,34.6) 49.75,34.62 49.36,35.02
  Bottom Layer w0.356: R1493.1 49.1,35.2 49.85,34.45 50.3,34.45
Net-(R1494-Pad1): length 13.9
  Top Layer w0.356: 43.99,38.74 44.13,38.6 44.13,38.61 43.73,39.01
  Bottom Layer w0.305: R1494.1 R1499.2 33.25,35.9 33.25,35.95 33.9,36.6 36.53,36.6 36.83,36.3 41.23,36.3 43.5,38.58 44.03,38.58
  vias: v1(44.13,38.55)
Net-(R1495-Pad1): length 10.8
  Top Layer w0.356: 41.75,38.65 42.11,39.01 42.12,39.01
  Bottom Layer w0.254: 41.75,38.55 41.75,38.53 40.78,37.55 38.83,37.55 38.53,37.85 33.85,37.85 R1497.2 R1495.1
  vias: v1(41.78,38.65)
Net-(R1496-Pad1): length 10.2
  Top Layer w0.356: 41.32,39.01 41.32,38.97 v1(40.98,38.63)
  Bottom Layer w0.254: R1496.1 33.2,38.48 33.85,39.13 36.28,39.13 37.1,38.3 38.85,38.3 39.18,37.98 40.38,37.98 41,38.6
Net-(R1500-Pad1): length 12
  Top Layer w0.152: 37.38,35 37.38,35.35 35.08,37.65 33.65,37.65 33,38.3 R1501.1 ; 42.12,35.02 41.78,34.67 41.78,34.63